# Altium PCB MB V2.PcbDoc (part 1 of 2)
Units mm, origin at the board's own origin, x right, y up, seen from the top; angles counter-clockwise.
Board outline 200.15 x 200.03 mm, 4 copper layers (Top Layer, Mid Top, Mid Bottom, Bottom Layer), stack 0.603 mm thick; 239 components, 224 nets, 929 pads, 0 vias.
Unrouted connection lines stored in the file: 612.
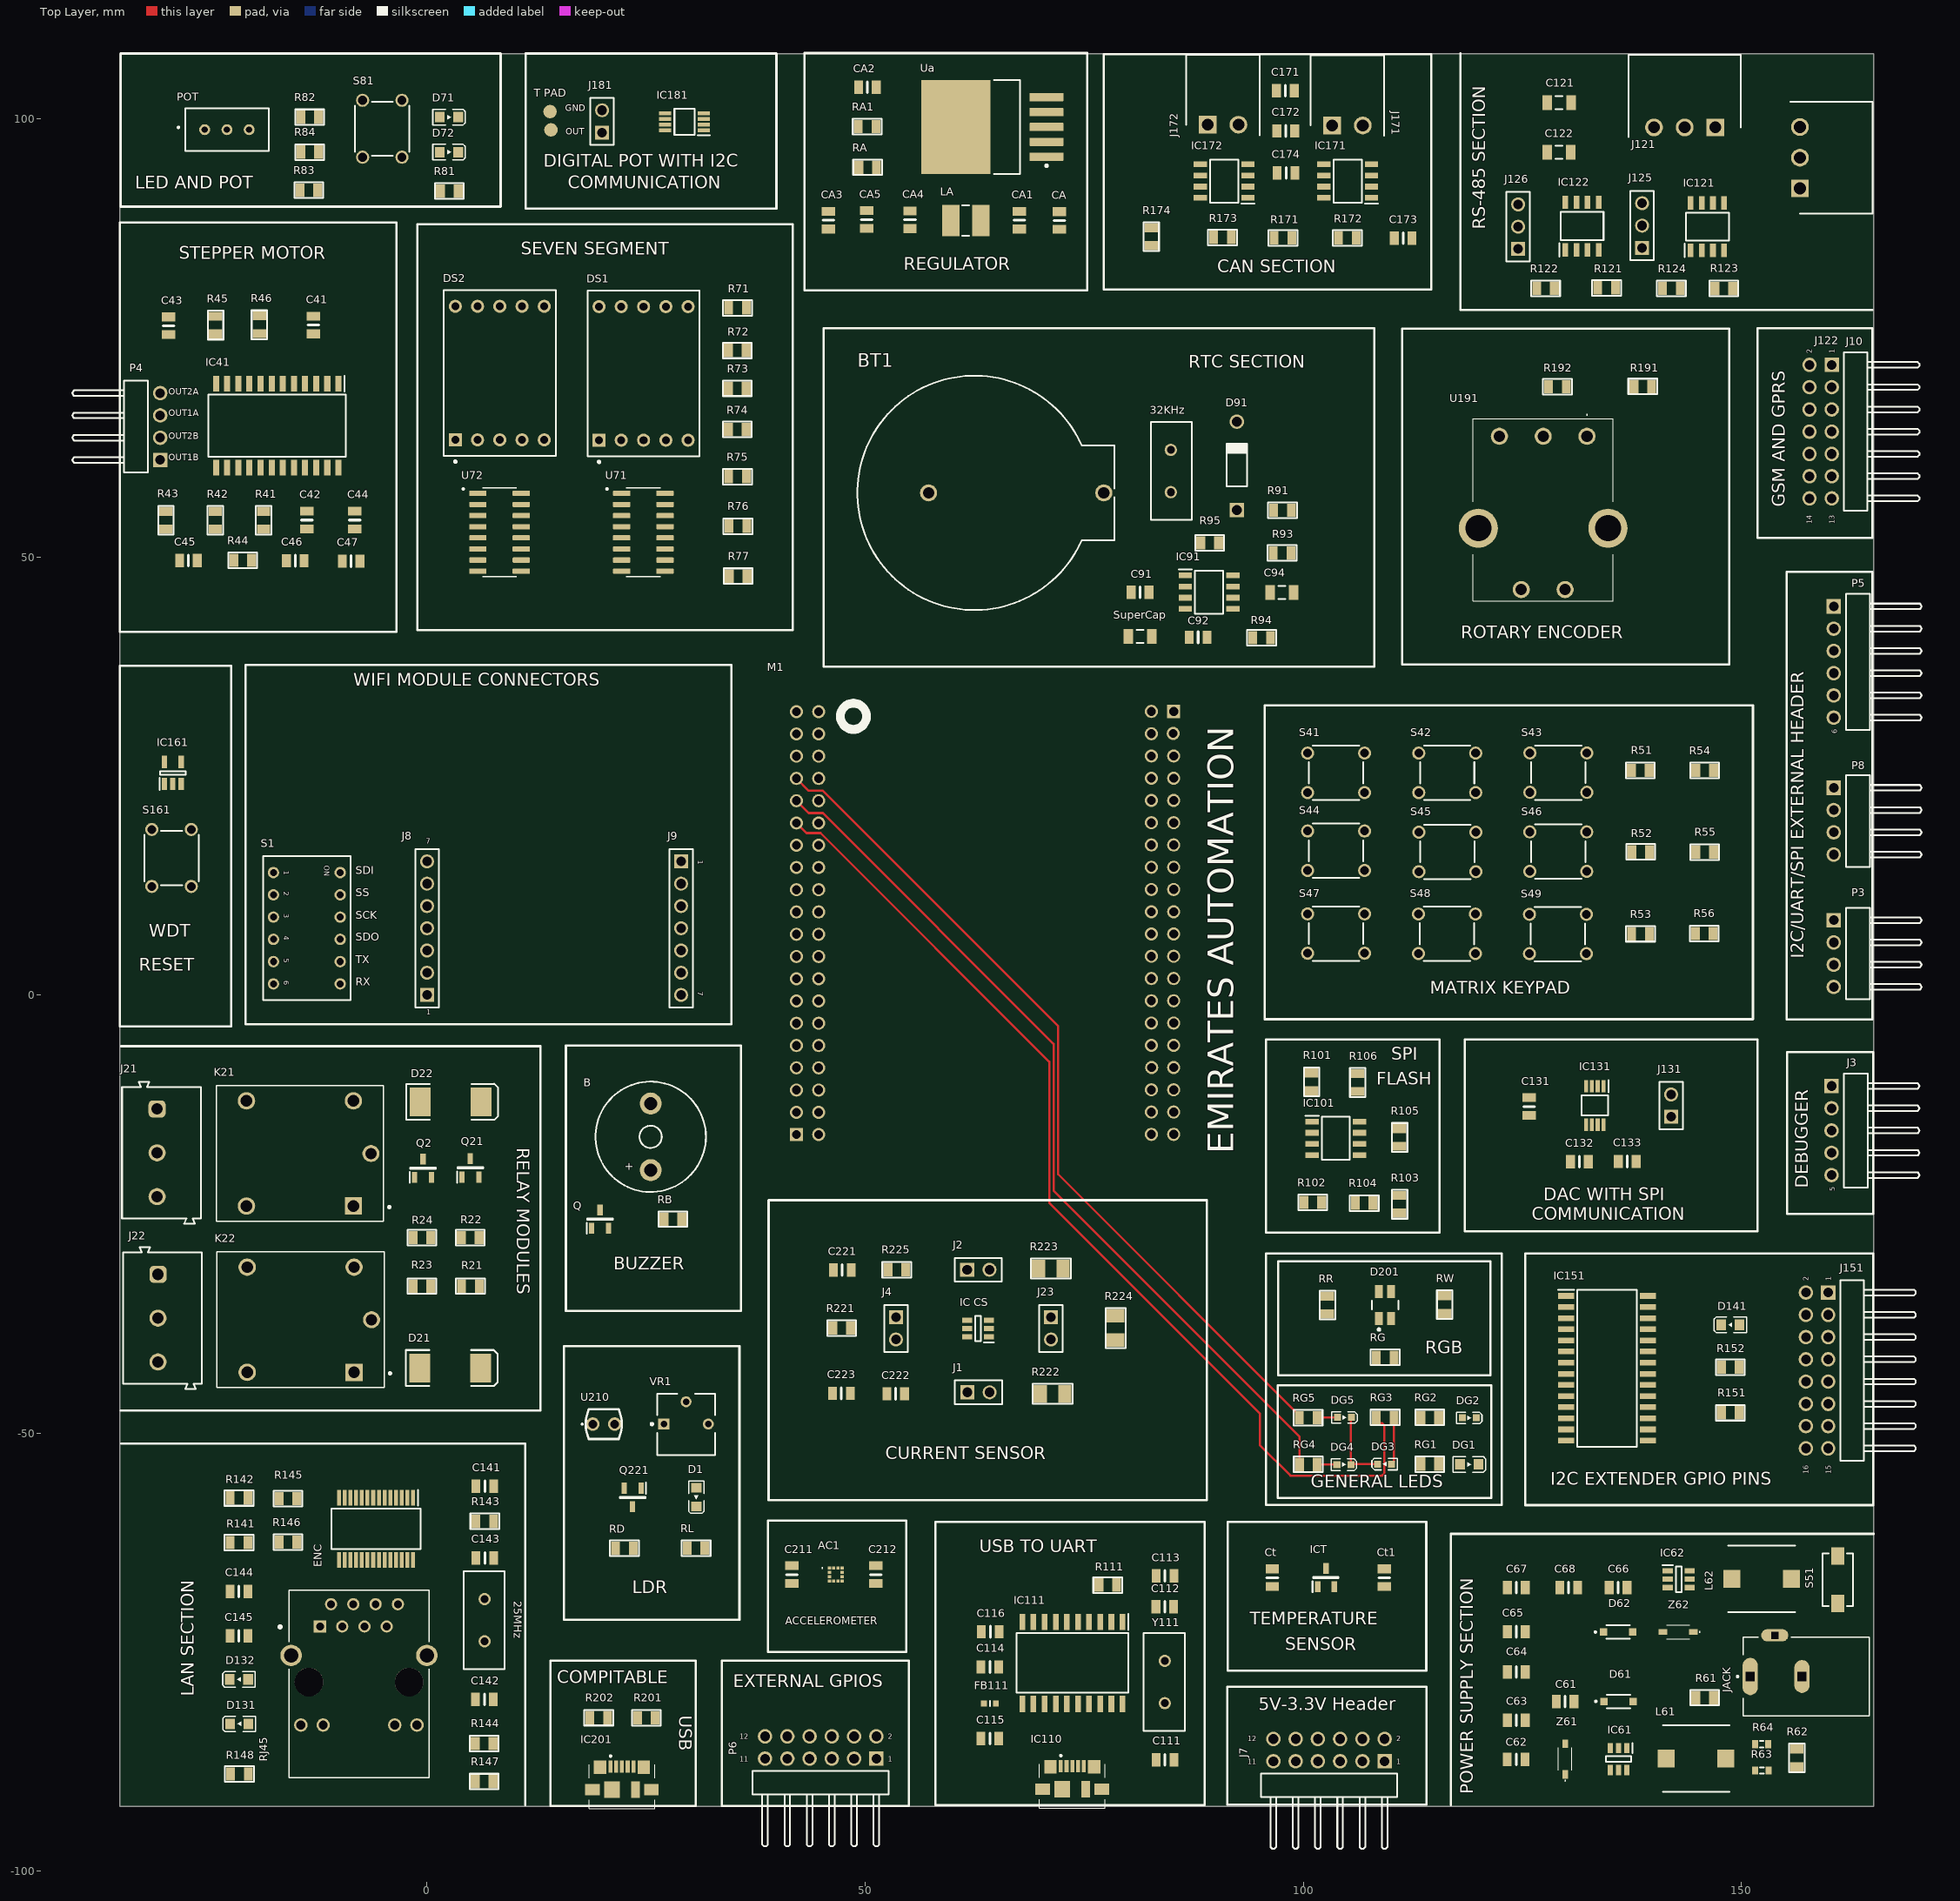
[diagram p0: Top Layer view]
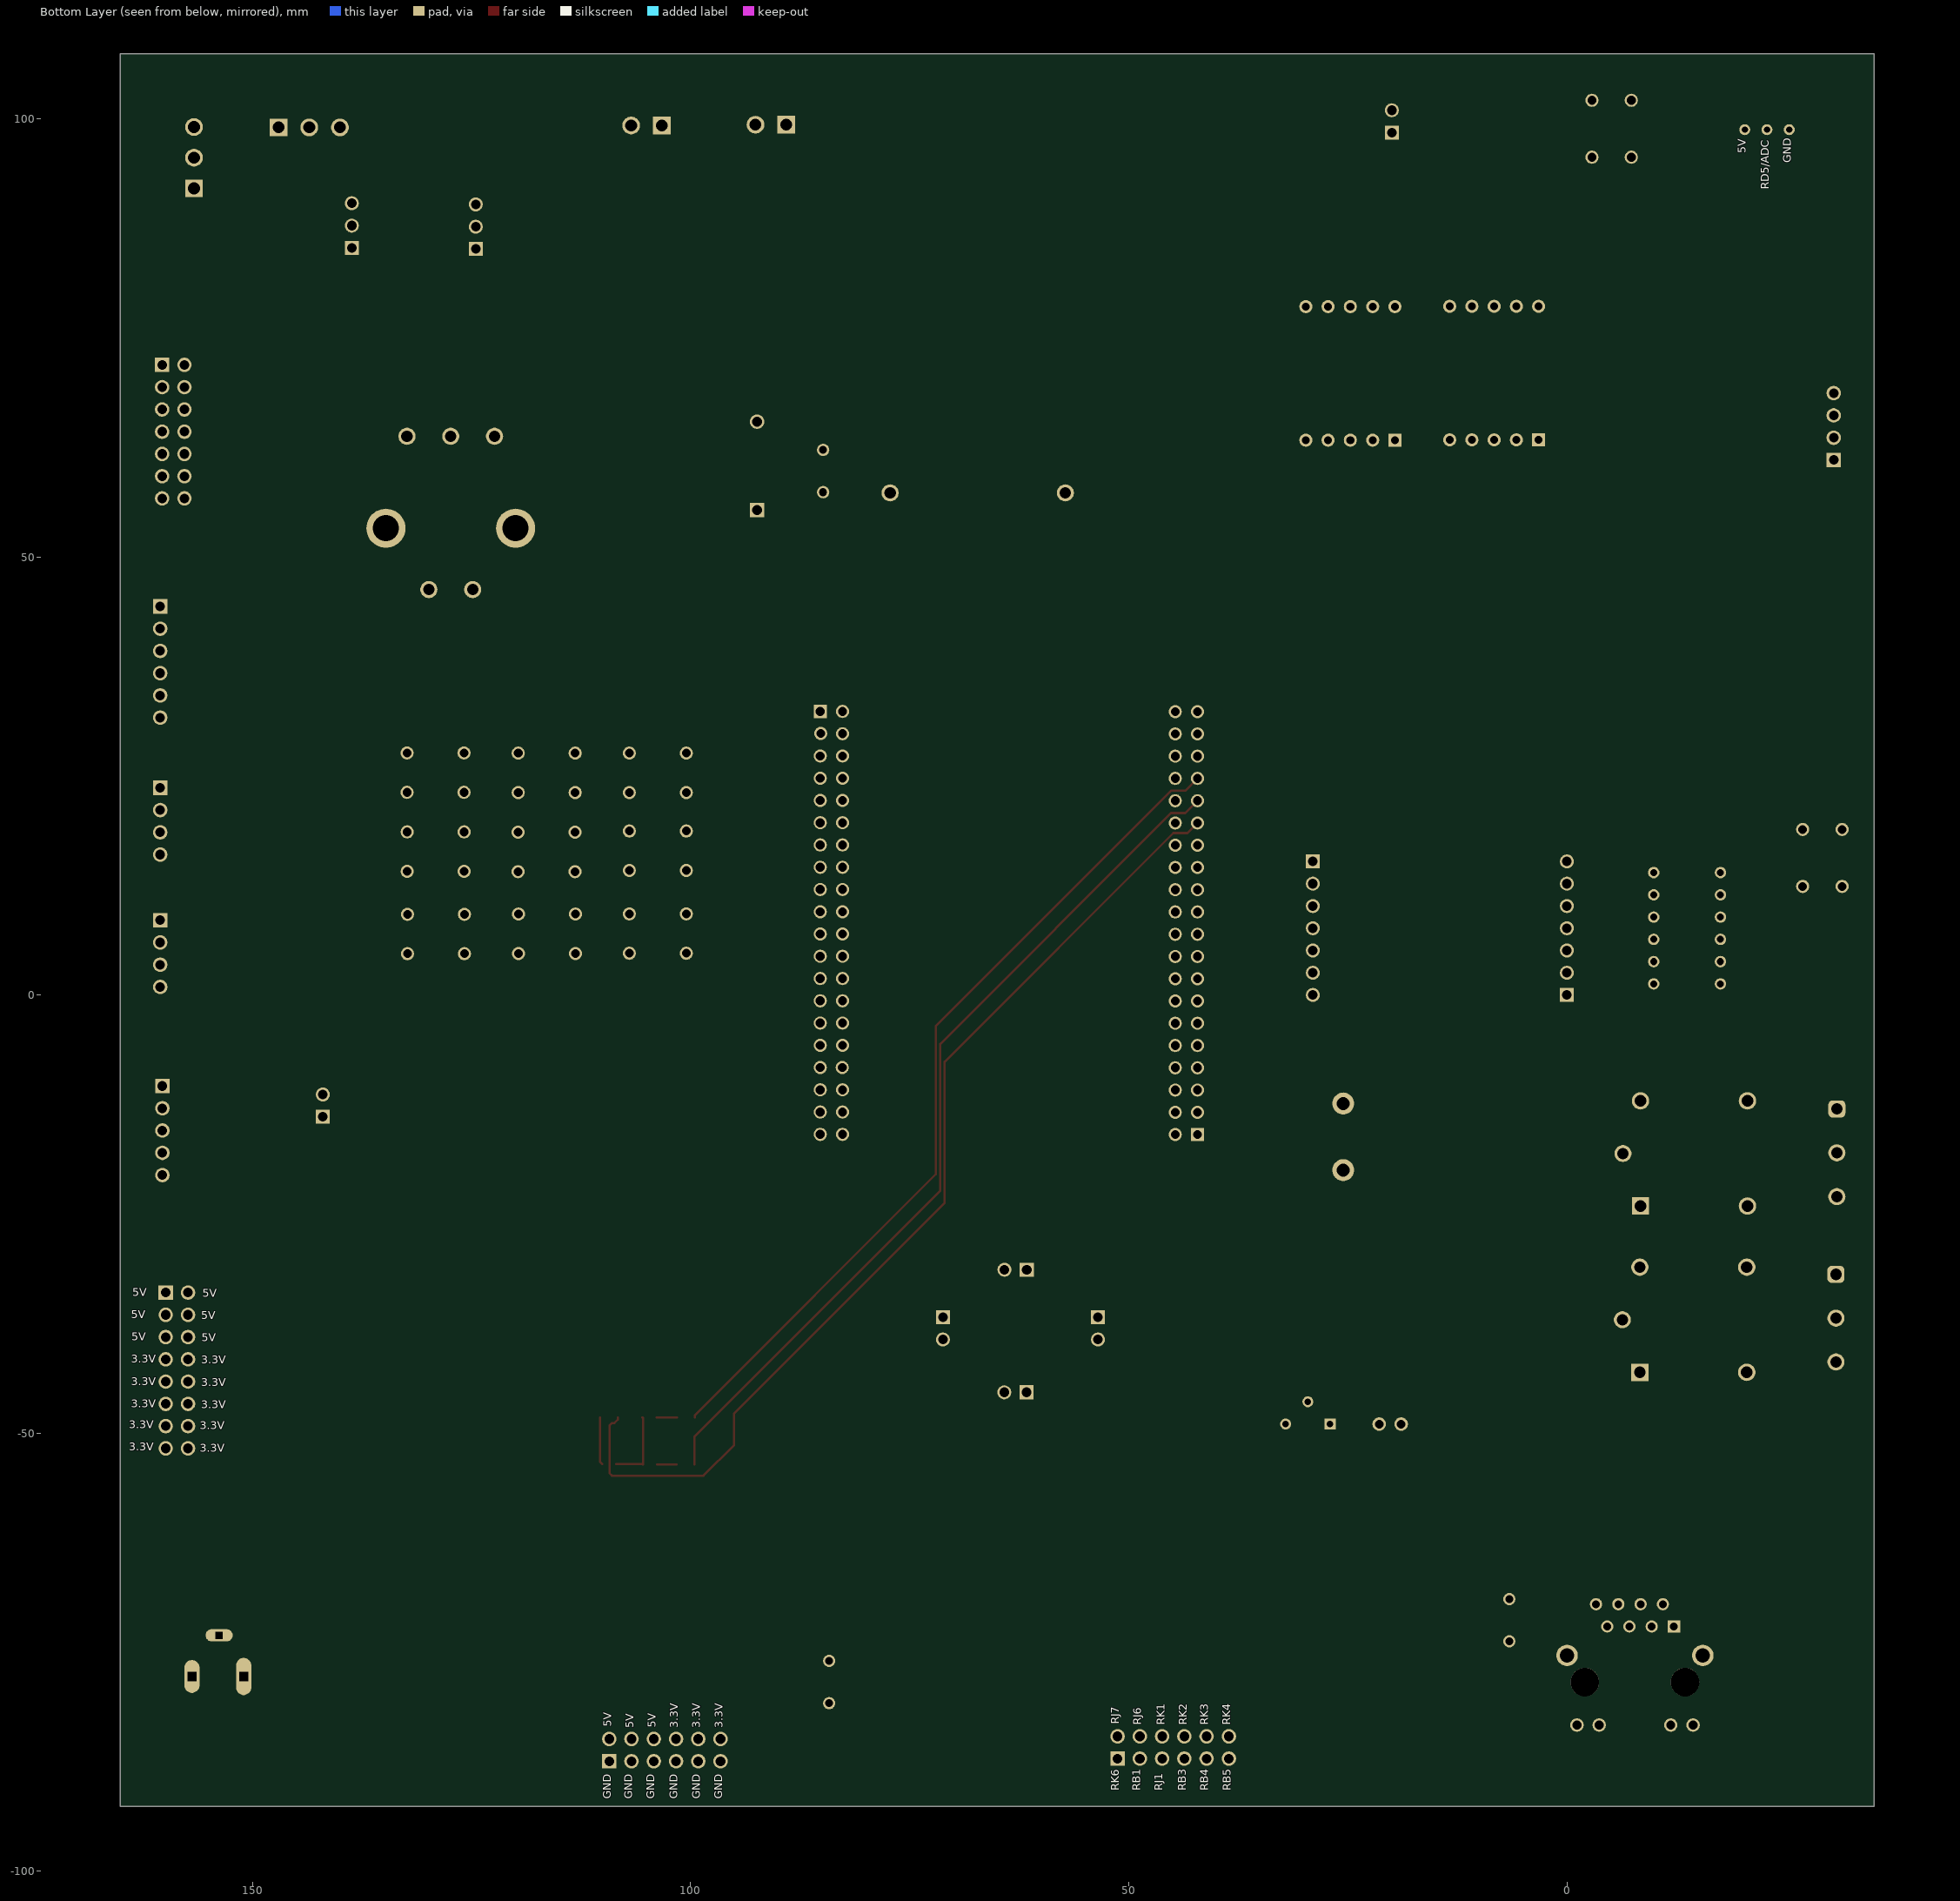
[diagram p1: Bottom Layer view, seen from below]

## Layer stack, top to bottom
Top Solder: solder mask 0.0102, Solder Resist, Dk 3.5
Top Layer: signal copper 0.0356
Dielectric 2: prepreg 0.0711, PP-006, Dk 4.1
Mid Top: signal copper 0.035
Dielectric 1: dielectric 0.32, FR-4, Dk 4.8
Mid Bottom: signal copper 0.035
Dielectric 3: prepreg 0.0711, PP-006, Dk 4.1
Bottom Layer: signal copper 0.0356
Bottom Solder: solder mask 0.0102, Solder Resist, Dk 3.5

## Board outline
-35.052,-92.583 165.1,-92.583 165.1,107.442 -35.052,107.442

## Design rules (kind name [scope] priority, off if disabled: settings)
Clearance [All] p1: gap=0.254 ignorepadtopadclearanceinfootprint=FALSE except(0: Arc-Hole Track-Hole SMDPad-Hole THPad-Hole Via-Hole Fill-Hole Poly-Hole Region-Hole Text-Hole)
PolygonConnect [All] p1: connectstyle=Relief reliefconductorwidth=0.254 reliefentries=4 polygonreliefangle="90 Angle" airgapwidth=0.254
RoutingVias [All] p1: holewidth=0.457 width=0.686 viastyle="Through Hole" minholewidth=0.457 minwidth=0.686 maxholewidth=0.457 maxwidth=0.686
SolderMaskExpansion [All] p1: expansion=0.102 istentingtop=FALSE
Width [All] p1: maxlimit=0.305 minlimit=0.254 preferedwidth=0.279
30 further rules are at their usual default settings.

## Classes and differential pairs
component class wwdt: IC161 S161
component class "Usb to Uart": C111 C112 C113 C114 C115 C116 FB111 IC110 IC111 R111 Y111
component class USB: IC201 R201 R202
component class Stepper_motodriver: C41 C42 C43 C44 C45 C46 C47 IC41 P4 R41 R42 R43 R44 R45 R46
component class "SPI FLASH": IC101 R101 R102 R103 R104 R105 R106
component class Rtc: 32KHz BT1 C91 C92 C94 D91 IC91 R91 R93 R94 R95 SuperCap
component class RS-485: C121 C122 IC121 IC122 J121 J122 J125 J126 R121 R122 R123 R124
component class "Rotary Encoder": R191 R192 U191
component class Relaymodule: D21 D22 J21 J22 K21 K22 Q2 Q21 R21 R22 R23 R24
component class Regulator: CA CA1 CA2 CA3 CA4 CA5 LA RA RA1 Ua
component class Powersupply: C61 C62 C63 C64 C65 C66 C67 C68 D61 D62 IC61 IC62 JACK L61 L62 R61 R62 R63 R64 S51 Z61 Z62
component class Motherboard: J3 J7 J8 J9 J10 M1 P3 P5 P6 P8 S1
component class Matrixkeypad: R51 R52 R53 R54 R55 R56 S41 S42 S43 S44 S45 S46 S47 S48 S49
component class Ledandbuttons: D71 D72 POT R81 R82 R83 R84 S81
component class Lan: 25MHz C141 C142 C143 C144 C145 D131 D132 ENC R141 R142 R143 R144 R145 R146 R147 R148 RJ45
component class "I2C EXTERNAL": D141 IC151 J151 R151 R152
component class "DIGITAL POT": IC181 J181 OUT "T PAD"
component class "DAC SPI": C131 C132 C133 IC131 J131
component class "Current SENSOR": C221 C222 C223 "IC CS" J1 J2 J4 J23 R221 R222 R223 R224 R225
component class CAN: C171 C172 C173 C174 IC171 IC172 J171 J172 R171 R172 R173 R174
component class Buzzer: B Ct Ct1 D1 D201 DG1 DG2 DG3 DG4 DG5 ICT Q Q221 RB RD RG RG1 RG2 RG3 RG4 RG5 RL RR RW U210 VR1
component class ACCELEROMETER: AC1 C211 C212
component class 7Segment: DS1 DS2 R71 R72 R73 R74 R75 R76 R77 U71 U72

## Components (designator, comment, footprint, x,y, rotation, side; value= is the part's Value field where it differs from the comment)
25MHz "" "Mini Crystal" 2.642,-71.349 r90 top
32KHz "" "Mini Crystal" 88.824,59.792 r270 top
AC1 "LIS2DE12TR" LIS2DE12TR 46.66,-66.142 r0 top
B "WST-1205S" "Buzzer 5v" 25.527,-16.18 r90 top
BT1 "79578211" 79578211 62.484,57.302 r180 top
C41 "10pF" SMD-0805C -12.954,76.454 r180 top value=0.10µF
C42 "10pF" SMD-0805C -13.716,54.204 r0 top value=0.10µF
C43 "10pF" SMD-0805C -29.489,76.378 r0 top value=0.10µF
C44 "10pF" SMD-0805C -8.255,54.204 r180 top value=0.10µF
C45 "10pF" SMD-0805C -27.229,49.581 r270 top value=0.10µF
C46 "100pF" SMD-0805C -15.037,49.555 r270 top value=0.10µF
C47 "100pF" SMD-0805C -8.661,49.505 r270 top value=0.10µF
C61 "100nF" SMD-0805C 129.896,-80.62 r270 top value=0.10µF
C62 "10pF" SMD-0805C 124.308,-87.224 r270 top value=0.10µF
C63 "10pF" SMD-0805C 124.333,-82.753 r90 top value=0.10µF
C64 "10pF" SMD-0805C 124.333,-77.267 r90 top value=0.10µF
C65 "10pF" SMD-0805C 124.333,-72.669 r270 top value=0.10µF
C66 "100nF" SMD-0805C 135.941,-67.64 r90 top value=0.10µF
C67 "10pF" SMD-0805C 124.333,-67.64 r90 top value=0.10µF
C68 "10pF" SMD-0805C 130.302,-67.615 r90 top value=0.10µF
C91 "10pF" SMD-0805C 81.382,45.949 r270 top value=0.10µF
C92 "10pF" SMD-0805C 88.011,40.818 r90 top value=0.10µF
C94 "Cap Semi" C1206 97.561,45.949 r180 top value=0.1uF
C111 "10pF" SMD-0805C 84.226,-87.274 r270 top value=0.10µF
C112 "10pF" SMD-0805C 84.201,-69.825 r270 top value=0.10µF
C113 "10uF" SMD-0805C 84.226,-66.269 r90 top value=0.10µF
C114 "10uF" SMD-0805C 64.237,-76.683 r90 top value=0.10µF
C115 "10uF" SMD-0805C 64.237,-84.836 r90 top value=0.10µF
C116 "10uF" SMD-0805C 64.287,-72.669 r90 top value=0.10µF
C121 "10pF" C1206 129.21,101.829 r180 top value=0.1uF
C122 "10pF" C1206 129.184,96.164 r180 top value=0.1uF
C131 "10uF" SMD-0805C 125.781,-12.725 r180 top value=0.10µF
C132 "10uF" SMD-0805C 131.521,-19.025 r270 top value=0.10µF
C133 "1uF" SMD-0805C 136.982,-18.999 r270 top value=0.10µF
C141 "10uF" SMD-0805C 6.604,-56.058 r90 top value=0.10µF
C142 "10pF" SMD-0805C 6.553,-80.391 r270 top value=0.10µF
C143 "10pF" SMD-0805C 6.604,-64.237 r270 top value=0.10µF
C144 "10nF" SMD-0805C -21.463,-68.072 r270 top value=0.10µF
C145 "10nF" SMD-0805C -21.463,-73.152 r270 top value=0.10µF
C171 "0.22uF" SMD-0805C 97.968,103.2 r90 top value=0.10µF
C172 "0.22uF" SMD-0805C 98.019,98.603 r90 top value=0.10µF
C173 "0.22uF" SMD-0805C 111.404,86.36 r270 top value=0.10µF
C174 "0.22uF" SMD-0805C 98.044,93.802 r90 top value=0.10µF
C211 "10uF" SMD-0805C 41.656,-66.142 r0 top value=0.10µF
C212 "100nF" SMD-0805C 51.232,-66.142 r0 top value=0.10µF
C221 "2.2uF" SMD-0805C 47.396,-31.369 r90 top value=0.10µF
C222 "0.1uF" SMD-0805C 53.492,-45.517 r270 top value=0.10µF
C223 "0.1uF" SMD-0805C 47.295,-45.466 r270 top value=0.10µF
CA "220uF" SMD-0805C 72.161,88.392 r180 top value=0.10µF
CA1 "0.1uF" SMD-0805C 67.589,88.417 r180 top value=0.10µF
CA2 "0.1uF" SMD-0805C 50.267,103.581 r270 top value=0.10µF
CA3 "0.1uF" SMD-0805C 45.822,88.417 r180 top value=0.10µF
CA4 "15pF" SMD-0805C 55.118,88.468 r180 top value=0.10µF
CA5 "220uF" SMD-0805C 50.19,88.494 r180 top value=0.10µF
Ct "0.10µF" SMD-0805C 96.469,-66.497 r180 top
Ct1 "0.10µF" SMD-0805C 109.271,-66.497 r180 top
D1 "150080BS75000" WL-SMCW_0805 30.734,-57.302 r90 top
D21 "Diode" SMC 2.637,-42.57 r0 top
D22 "Diode" SMC 2.697,-12.192 r0 top
D61 "1N4148W-V-GS08" 1N4148WVGS08 135.992,-80.62 r0 top
D62 "1N4148W-V-GS08" 1N4148WVGS08 135.941,-72.695 r0 top
D71 "150080BS75000" WL-SMCW_0805 2.515,100.178 r180 top
D72 "150080BS75000" WL-SMCW_0805 2.515,96.19 r180 top
D91 "1N4007/M7" "Diode DO 35" 92.431,59.842 r90 top
D131 "150080BS75000" WL-SMCW_0805 -21.429,-83.185 r0 top
D132 "150080BS75000" WL-SMCW_0805 -21.463,-78.105 r0 top
D141 "150080BS75000" WL-SMCW_0805 148.742,-37.643 r0 top
D201 "Red & Green & Blue, 120°" WL-SFTW_3528_150141M173100 109.347,-35.382 r90 top
DG1 "150080VS75000" WL-SMCW_0805 118.948,-53.569 r180 top
DG2 "150060GS75000" WL-SMCW_0603 118.948,-48.26 r180 top
DG3 "150060YS75000" WL-SMCW_0603 109.296,-53.543 r0 top
DG4 "150060BS75000" WL-SMCW_0603 104.648,-53.594 r180 top
DG5 "150060RS75000" WL-SMCW_0603 104.711,-48.209 r180 top
DS1 "Dpy Blue-CC" H 24.714,70.942 r0 top
DS2 "Dpy Blue-CC" H 8.306,70.968 r0 top
ENC "ENC28J60T-I_SS" SOP65P780X200-28N -5.817,-60.909 r270 top
FB111 "BLM18SG121TN1D" BLM18EG101TH1D 64.237,-80.874 r180 top
IC41 "MTS2916A" SOIC127P1046X264-24N -17.094,64.973 r270 top
IC61 "MCP16331T-E_CH" SOT95P280X145-6N 135.992,-87.198 r270 top
IC62 "MCP16331T-E_CH" SOT95P280X145-6N 142.85,-66.675 r0 top
IC91 "MCP79402-I_SN" SOIC127P600X175-8N 89.256,45.974 r0 top
IC101 "SST25VF512A-33-4C-SAE" SOIC127P600X175-8N 103.734,-16.358 r0 top
IC110 "" 0473461001 73.642,-89.968 r0 top
IC111 "MCP2200-I_SO" SOIC127P1030X265-20N 73.66,-76.225 r270 top
IC121 "THVD1450D" SOIC127P600X175-8N 146.126,87.681 r90 top
IC122 "THVD1450D" SOIC127P600X175-8N 131.826,87.757 r90 top
IC131 "MCP4822-E_MS" SOP65P490X110-8N 133.284,-12.608 r270 top
IC151 "MCP23017T-E_SO" SOIC127P1030X265-28N 134.669,-42.596 r0 top
IC161 "MCP1320T-25LE_OT" SOT95P270X145-5N -29.007,25.349 r90 top
IC171 "MCP2551-E_SN" SOIC127P600X175-8N 105.08,92.888 r180 top
IC172 "MCP2551-E_SN" SOIC127P600X175-8N 90.983,92.888 r180 top
IC181 "MCP4531-103E_MS" SOP65P490X110-8N 29.388,99.644 r180 top
IC201 "" 0473461001 22.25,-90.018 r0 top
"IC CS" "MCP6C02T-020E_CHY" SOT95P280X145-6N 62.89,-38.049 r180 top
ICT "MCP9700T-E_TT" SOT95P237X112-3N 102.591,-66.472 r90 top
J1 "61300211121" 61300211121 62.941,-45.339 r0 top
J2 "61300211121" 61300211121 62.916,-31.344 r0 top
J3 "61300511021" 61300511021 163.069,-15.469 r90 top
J4 "61300211121" 61300211121 53.518,-38.049 r270 top
J7 "61301221021" 61301221021 102.946,-90.17 r0 top
J8 "61300711121" 61300711121 0,7.62 r90 top
J9 "61300711121" 61300711121 29,7.62 r270 top
J10 "61301421021" 61301421021 163.055,64.287 r90 top
J21 "691101710003" 691101710003 -30.31,-18.009 r270 top
J22 "691101710003" 691101710003 -30.201,-36.881 r270 top
J23 "61300211121" 61300211121 71.222,-38.049 r270 top
J121 "284512-3" SHDRRA3W80P0X350_1X3_1250X920X745P 147.041,99.009 r0 top
J122 "284512-3" SHDRRA3W80P0X350_1X3_1250X920X745P 156.693,92.055 r270 top
J125 "61300311121" 61300311121 138.684,87.808 r90 top
J126 "61300311121" 61300311121 124.536,87.681 r90 top
J131 "61300211121" 61300211121 141.986,-12.624 r90 top
J151 "61301621021" 61301621021 162.648,-42.85 r90 top
J171 "1844210" SHDRRA2W80P0X350_1X2_840X920X825P 103.302,99.238 r0 top
J172 "1844210" SHDRRA2W80P0X350_1X2_840X920X825P 89.108,99.314 r0 top
J181 "61300211121" 61300211121 19.99,99.695 r90 top
JACK "JACK" JACK 159.715,-258.877 r90 top
K21 "RELAY" RELAY 36.566,-9.817 r180 top
K22 "RELAY" RELAY 36.642,-28.791 r180 top
L61 "DR73-150-R" INDPM7676X355N 144.831,-87.122 r180 top
L62 "DR73-150-R" INDPM7676X355N 152.324,-66.65 r0 top
LA "330uH" WE-LQ_1812 61.495,88.392 r180 top
M1 "MCU CARD -PIC18F97J94" MCU-Card-PIC18f97j94 64.008,8.128 r0 top
P3 "61300411021" 61300411021 163.322,4.724 r90 top
P4 "61300411021" 61300411021 -33.223,64.872 r270 top
P5 "61300611021" 61300611021 163.322,37.998 r90 top
P6 "61301221021" 61301221021 44.933,-89.877 r0 top
P8 "61300411021" 61300411021 163.322,19.837 r90 top
POT "3296W-1-101LF" 3296W-1 -22.835,98.755 r0 top
Q "S12302DS Nchanel SMD SOT-23" SOT-23-3N 19.751,-25.569 r90 top
Q2 "S12302DS Nchanel SMD SOT-23" SOT-23-3N -0.457,-19.76 r90 top
Q21 "S12302DS Nchanel SMD SOT-23" SOT-23-3N 4.953,-19.735 r90 top
Q221 "S12302DS Nchanel SMD SOT-23" SOT-23-3N 23.47,-57.328 r270 top
R21 "0" SMD-0805-RES 4.953,-33.223 r270 top value=1k
R22 "1k" SMD-0805-RES 4.928,-27.686 r270 top
R23 "0" SMD-0805-RES -0.584,-33.223 r90 top value=1k
R24 "1k" SMD-0805-RES -0.584,-27.686 r270 top
R41 "1k" SMD-0805-RES -18.644,54.178 r0 top
R42 "1k" SMD-0805-RES -24.155,54.178 r0 top
R43 "1k" SMD-0805-RES -29.794,54.178 r180 top
R44 "1k" SMD-0805-RES -21.031,49.606 r270 top
R45 "1k" SMD-0805-RES -24.13,76.454 r180 top
R46 "1k" SMD-0805-RES -19.126,76.479 r180 top
R51 "4.7K" SMD-0805-RES 138.481,25.629 r90 top value=1k
R52 "4.7K" SMD-0805-RES 138.532,16.332 r90 top value=1k
R53 "4.7K" SMD-0805-RES 138.506,6.985 r90 top value=1k
R54 "4.7K" SMD-0805-RES 145.821,25.629 r90 top value=1k
R55 "4.7K" SMD-0805-RES 145.821,16.307 r90 top value=1k
R56 "4.7K" SMD-0805-RES 145.771,7.01 r90 top value=1k
R61 "52.3K" SMD-0805-RES 145.821,-80.188 r270 top value=1k
R62 "10K" SMD-0805-RES 156.337,-87.071 r0 top value=1k
R63 "Res3" J1-0603 152.349,-88.519 r0 top value=31.6K
R64 "Res3" J1-0603 152.337,-85.496 r180 top value=10K
R71 "1K" SMD-0805-RES 35.433,78.41 r90 top value=1k
R72 "1K" SMD-0805-RES 35.408,73.558 r90 top value=1k
R73 "1K" SMD-0805-RES 35.408,69.24 r90 top value=1k
R74 "1K" SMD-0805-RES 35.408,64.541 r90 top value=1k
R75 "1K" SMD-0805-RES 35.433,59.157 r90 top value=1k
R76 "1K" SMD-0805-RES 35.484,53.492 r270 top value=1k
R77 "1K" SMD-0805-RES 35.509,47.803 r270 top value=1k
R81 "1K" SMD-0805-RES 2.54,91.745 r90 top value=1k
R82 "1K" SMD-0805-RES -13.386,100.178 r90 top value=1k
R83 "1K" SMD-0805-RES -13.487,91.846 r270 top value=1k
R84 "1K" SMD-0805-RES -13.386,96.19 r270 top value=1k
R91 "100E-TH" SMD-0805-RES 97.638,55.321 r90 top value=1k
R93 "4.7K" SMD-0805-RES 97.587,50.444 r270 top value=1k
R94 "4.7K" SMD-0805-RES 95.25,40.767 r270 top value=1k
R95 "10K" SMD-0805-RES 89.332,51.587 r270 top value=1k
R101 "2.2K" SMD-0805-RES 100.965,-9.906 r0 top value=1k
R102 "3.3K" SMD-0805-RES 101.092,-23.673 r90 top value=1k
R103 "3.3K" SMD-0805-RES 110.998,-23.876 r0 top value=1k
R104 "3.3K" SMD-0805-RES 106.959,-23.749 r270 top value=1k
R105 "2.2K" SMD-0805-RES 110.998,-16.256 r180 top value=1k
R106 "2.2K" SMD-0805-RES 106.223,-9.982 r180 top value=1k
R111 "10K" SMD-0805-RES 77.699,-67.335 r270 top value=1k
R121 "10K" SMD-0805-RES 134.62,80.696 r90 top value=1k
R122 "10K" SMD-0805-RES 127.66,80.645 r90 top value=1k
R123 "10K" SMD-0805-RES 148.006,80.62 r90 top value=1k
R124 "10K" SMD-0805-RES 142.011,80.645 r90 top value=1k
R141 "1K" SMD-0805-RES -21.463,-62.484 r90 top value=1k
R142 "1K" SMD-0805-RES -21.463,-57.404 r270 top value=1k
R143 "1K" SMD-0805-RES 6.604,-60.071 r270 top value=1k
R144 "1K" SMD-0805-RES 6.528,-85.42 r90 top value=1k
R145 "51" SMD-0805-RES -15.875,-57.48 r90 top value=1k
R146 "51" SMD-0805-RES -15.875,-62.433 r270 top value=1k
R147 "51" SMD-0805-RES 6.528,-89.764 r90 top value=1k
R148 "51" SMD-0805-RES -21.412,-88.9 r270 top value=1k
R151 "10K" SMD-0805-RES 148.742,-47.676 r90 top value=1k
R152 "1K" SMD-0805-RES 148.742,-42.469 r90 top value=1k
R171 "120r" SMD-0805-RES 97.688,86.411 r90 top value=1k
R172 "10K" SMD-0805-RES 105.029,86.411 r270 top value=1k
R173 "10K" SMD-0805-RES 90.78,86.462 r270 top value=1k
R174 "120r" SMD-0805-RES 82.652,86.538 r0 top value=1k
R191 "10K" SMD-0805-RES 138.76,69.444 r90 top value=1k
R192 "10K" SMD-0805-RES 129.007,69.418 r90 top value=1k
R201 "10K" SMD-0805-RES 25.044,-82.499 r90 top value=1k
R202 "10K" SMD-0805-RES 19.609,-82.474 r270 top value=1k
R221 "10K" SMD-0805-RES 47.32,-37.998 r270 top value=1M
R222 "10 ohm" SMD-1206-RES 71.399,-45.517 r90 top value=0.22
R223 "1K" SMD-1206-RES 71.196,-31.217 r90 top value=0.22
R224 "0 ohm" SMD-1206-RES 78.588,-37.998 r180 top value=0.22
R225 "20K" SMD-0805-RES 53.619,-31.344 r90 top value=1M
RA "10K" SMD-0805-RES 50.292,94.463 r270 top value=1k
RA1 "3.3K" SMD-0805-RES 50.241,99.111 r270 top value=1k
RB "1k" SMD-0805-RES 28.067,-25.578 r270 top
RD "1k" SMD-0805-RES 22.53,-63.144 r90 top
RG "1k" SMD-0805-RES 109.347,-41.351 r90 top
RG1 "1K" SMD-0805-RES 114.452,-53.543 r270 top value=1k
RG2 "1K" SMD-0805-RES 114.452,-48.209 r270 top value=1k
RG3 "1K" SMD-0805-RES 109.347,-48.209 r270 top value=1k
RG4 "1K" SMD-0805-RES 100.584,-53.569 r270 top value=1k
RG5 "1K" SMD-0805-RES 100.559,-48.235 r270 top value=1k
RJ45 "RJ45" RJ45 708.54,-185.028 r180 top
RL "1k" SMD-0805-RES 30.709,-63.119 r90 top
RR "1k" SMD-0805-RES 102.768,-35.382 r0 top
RW "1k" SMD-0805-RES 116.154,-35.331 r0 top
S1 "418117170906" 418117170906 -13.716,7.62 r270 top
S41 "430156043726" 4301x60437x6 103.759,25.349 r0 top
S42 "430156043726" 4301x60437x6 116.434,25.349 r0 top
S43 "430156043726" 4301x60437x6 129.134,25.375 r0 top
S44 "430156043726" 4301x60437x6 103.759,16.459 r0 top
S45 "430156043726" 4301x60437x6 116.459,16.332 r0 top
S46 "430156043726" 4301x60437x6 129.108,16.358 r0 top
S47 "430156043726" 4301x60437x6 103.759,7.01 r0 top
S48 "430156043726" 4301x60437x6 116.408,6.985 r0 top
S49 "430156043726" 4301x60437x6 129.083,6.96 r0 top
S51 "434113043826" 434113043826 161.011,-66.726 r270 top
S81 "430156043726" 4301x60437x6 -5.105,98.857 r270 top
S161 "430156043726" 4301x60437x6 -29.159,15.646 r90 top
SuperCap "Cap Semi" C1206 81.382,40.919 r0 top
"T PAD" "pad" pad 14.046,100.813 r270 top
U71 "ULN2003ADR" SOIC127P600X175-16N 24.689,52.807 r0 top
U72 "ULN2003ADR" SOIC127P600X175-16N 8.28,52.807 r0 top
U191 "PEC16-4220F-S0024" PEC164120FS0012 132.39,63.764 r180 top
U210 "S" NSL-19M51 20.173,-48.971 r0 top
Ua "LM39302" DDPACK-5 60.563,99.441 r90 top
VR1 "50k" "Trim pot square Horizontal" 29.566,-48.997 r0 top
Y111 "25MHz" "Mini Crystal" 80.264,-78.41 r90 top
Z61 "BAT46ZFILM" STPS0560Z 129.896,-87.198 r90 top
Z62 "BAT46ZFILM" STPS0560Z 142.799,-72.695 r180 top

## Footprints (in the part's own frame and the unit in brackets; to place one, negate y for a bottom-side part, rotate by r counter-clockwise, add the part's x,y. Pads: shape width x height; smd on the part's side, far side on the other; paste and mask are expansions set on the pad)
1N4148WVGS08 [mm]
  rect 0.85x0.85 smd: 1(-1.675,0) 2(1.675,0)
  silkscreen extent -2.7,-0.78 1.35,0.78, body extent -1.85,-0.77 1.85,0.77, height 1.26
3296W-1 [mm]
  round 1.24 hole 0.74: 1(-2.54,0) 2(0,0) 3(2.54,0)
  silkscreen extent -5.64,-2.41 4.76,2.41, body extent -4.78,-2.48 4.78,2.35, height 11.55
4301x60437x6 [mm] "6x6mm Tact Switch, THT version"
  round 1.5 hole 1: 1(-3.25,2.25) 2(-3.25,-2.25) 3(3.25,2.25) 4(3.25,-2.25)
  silkscreen extent -3.1,-3.1 3.1,3.1, body extent -3.95,-3.1 3.95,3.1, height 4.35
79578211 [mm] "Battery Holder"
  round 1.95 hole 1.3: 1(-14.755,0) 2(5.245,0)
  silkscreen extent -15.98,-13.37 13.37,13.37, body extent -15.97,-13.38 13.38,13.37, height 9.6
0473461001 [mm]
  rect 0.45x1.38 smd: 1(-1.3,1.975) 2(-0.65,1.975) 3(0,1.975) 4(0.65,1.975) 5(1.3,1.975)
  rect 1.425x1.55 smd: MP1(-2.487,1.89) MP2(2.487,1.89)
  rect 1.65x1.3 smd: MP3(-3.375,-0.685) MP6(3.375,-0.685)
  rect 1.8x1.9 smd: MP4(-1.15,-0.685)
  rect 1x1.9 smd: MP5(1.55,-0.685)
  silkscreen extent -3.75,-2.84 3.75,3.26, body extent -3.9,-2.5 3.9,2.5, height 2.72
61300211121 [mm] "Pin Header, pitch 2.54 mm, THT, Vertical, single row, 2p"
  rect 1.6x1.6 hole 1.1: 1(-1.27,0)
  round 1.6 hole 1.1: 2(1.27,0)
  silkscreen extent -2.69,-1.34 2.69,1.34, body extent -2.54,-1.27 2.54,1.27, height 8.57
61300311121 [mm] "Pin Header, pitch 2.54 mm, THT, Vertical, single row, 3p"
  rect 1.6x1.6 hole 1.1: 1(-2.54,0)
  round 1.6 hole 1.1: 2(0,0) 3(2.54,0)
  silkscreen extent -3.96,-1.34 3.96,1.34, body extent -3.81,-1.27 3.81,1.27, height 8.57
61300411021 [mm] "Pin Header, pitch 2.54 mm, THT, Angled, single row, 4p"
  rect 1.65x1.65 hole 1.1: 1(3.81,2.77)
  round 1.65 hole 1.1: 2(1.27,2.77) 3(-1.27,2.77) 4(-3.81,2.77)
  silkscreen extent -5.23,-7.27 5.23,1.34, body extent -5.08,-7.27 5.08,3.09, height 2.58
61300511021 [mm] "Pin Header, pitch 2.54 mm, THT, Angled, single row, 5p"
  rect 1.65x1.65 hole 1.1: 1(5.08,2.77)
  round 1.65 hole 1.1: 2(2.54,2.77) 3(0,2.77) 4(-2.54,2.77) 5(-5.08,2.77)
  silkscreen extent -6.5,-7.27 6.5,1.35, body extent -6.35,-7.27 6.35,3.09, height 2.58
61300611021 [mm] "Pin Header, pitch 2.54 mm, THT, Angled, single row, 6p"
  rect 1.65x1.65 hole 1.1: 1(6.35,2.77)
  round 1.65 hole 1.1: 2(3.81,2.77) 3(1.27,2.77) 4(-1.27,2.77) 5(-3.81,2.77) 6(-6.35,2.77)
  silkscreen extent -7.77,-7.27 7.77,1.34, body extent -7.62,-7.27 7.62,3.09, height 2.58
61300711121 [mm] "Pin Header, pitch 2.54 mm, THT, Vertical, single row, 7p"
  rect 1.6x1.6 hole 1.1: 1(-7.62,0)
  round 1.6 hole 1.1: 2(-5.08,0) 3(-2.54,0) 4(0,0) 5(2.54,0) 6(5.08,0) 7(7.62,0)
  silkscreen extent -9.04,-1.34 9.04,1.34, body extent -8.89,-1.27 8.89,1.27, height 8.57
61301221021 [mm] "Pin Header, pitch 2.54 mm, THT, Angled, dual row, 12p"
  rect 1.65x1.65 hole 1.1: 1(6.35,2.73)
  round 1.65 hole 1.1: 2(6.35,5.27) 3(3.81,2.73) 4(3.81,5.27) 5(1.27,2.73) 6(1.27,5.27) 7(-1.27,2.73) 8(-1.27,5.27) 9(-3.81,2.73) 10(-3.81,5.27) 11(-6.35,2.73) 12(-6.35,5.27)
  silkscreen extent -7.77,-7.27 7.77,1.34, body extent -7.62,-7.27 7.62,5.63, height 5.12
61301421021 [mm] "Pin Header, pitch 2.54 mm, THT, Angled, dual row, 14p"
  rect 1.65x1.65 hole 1.1: 1(7.62,2.73)
  round 1.65 hole 1.1: 2(7.62,5.27) 3(5.08,2.73) 4(5.08,5.27) 5(2.54,2.73) 6(2.54,5.27) 7(0,2.73) 8(0,5.27) 9(-2.54,2.73) 10(-2.54,5.27) 11(-5.08,2.73) 12(-5.08,5.27) 13(-7.62,2.73) 14(-7.62,5.27)
  silkscreen extent -9.04,-7.27 9.04,1.34, body extent -8.89,-7.27 8.89,5.63, height 5.12
61301621021 [mm] "Pin Header, pitch 2.54 mm, THT, Angled, dual row, 16p"
  rect 1.65x1.65 hole 1.1: 1(8.89,2.73)
  round 1.65 hole 1.1: 2(8.89,5.27) 3(6.35,2.73) 4(6.35,5.27) 5(3.81,2.73) 6(3.81,5.27) 7(1.27,2.73) 8(1.27,5.27) 9(-1.27,2.73) 10(-1.27,5.27) 11(-3.81,2.73) 12(-3.81,5.27) 13(-6.35,2.73) 14(-6.35,5.27) 15(-8.89,2.73) 16(-8.89,5.27)
  silkscreen extent -10.31,-7.27 10.31,1.34, body extent -10.16,-7.27 10.16,5.63, height 5.12
418117170906 [mm] "2.54 mm compact THT with flat actuator, 6p"
  round 1.3 hole 0.8: 1(-6.35,-3.81) 2(-3.81,-3.81) 3(-1.27,-3.81) 4(1.27,-3.81) 5(3.81,-3.81) 6(6.35,-3.81) 7(6.35,3.81) 8(3.81,3.81) 9(1.27,3.81) 10(-1.27,3.81) 11(-3.81,3.81) 12(-6.35,3.81)
  silkscreen extent -8.22,-5 8.22,5, body extent -8.12,-4.95 8.12,4.95, height 5.75
434113043826 [mm] "SMD Tact Switch, body 6x3.5mm"
  rect 2x1.5 smd: 1(-2.7,0) 2(2.7,0)
  silkscreen extent -3,-1.75 3,1.75, body extent -3.65,-1.75 3.65,1.75, height 4.3
691101710003 [mm] "5,00mm - modular - blue - Horizontal entry with pressure clamp - 12,6mm height - 03p"
  rrect50% 1.95x1.95 hole 1.3: 1(-5,-0.5)
  round 1.95 hole 1.3: 2(0,-0.5) 3(5,-0.5)
  silkscreen extent -8.1,-4.5 8.1,4.5, body extent -8.1,-4.5 8.1,4.5, height 12.65
BLM18EG101TH1D [mm]
  rect 0.65x0.7 smd: 1(-0.675,0) 2(0.675,0)
  silkscreen extent 0,-0.3 0,0.3, body extent -0.76,-0.25 0.84,0.25, height 0.4
"Buzzer 5v" [mm]
  round 2.5 hole 1.5: 1(-3.8,0) 2(3.8,0)
  silkscreen extent -6.3,-6.3 6.3,6.3, body extent -6,-6 6,6, height 10.3
C1206 [mm] "Chip Capacitor, Body 3.2x1.6mm, IPC High Density"
  rect 1.1x1.7 smd: 1(-1.35,0) 2(1.35,0)
  silkscreen extent -0.4,-0.75 0.4,0.75, body extent -1.7,-0.9 1.7,0.9, height 1.3
DDPACK-5 [mm] "DPAK, 5-Leads, Body 10.65x9.65mm, Pitch 1.7mm, IPC High Density"
  rrect11% 0.95x3.85 smd: 1(-3.781,-10.137) 2(-2.081,-10.137) 3(-0.381,-10.137) 4(1.319,-10.137) 5(3.019,-10.137)
  rrect1% 10.7x7.9 smd: 6(-0.381,0.213)
  silkscreen extent -5.73,-10.26 4.97,-4.14, body extent -5.49,-11.4 4.73,2.95, height 4.48
"Diode DO 35" [mm] "2-Leads, Axial Lead, Body 4.635x2.36mm, Pin Spacing 9mm"
  rect 1.65x1.65 hole 1.15: 1(-4.5,0)
  round 1.65 hole 1.15: 2(5.588,0)
  silkscreen extent -1.78,-1.18 3.05,1.22, body extent -4.77,-0.9 5.94,0.9, height 2.32
H [mm] "LED, 7-Segment Display, 14.2 mm, RHD; 10 Leads; Row Space 15.24 mm; Pitch 2.54 mm"
  rect 1.5x1.5 hole 0.9: 1(-5.08,-7.62)
  round 1.5 hole 0.9: 2(-2.54,-7.62) 3(0,-7.62) 4(2.54,-7.62) 5(5.08,-7.62) 6(5.08,7.62) 7(2.54,7.62) 8(0,7.62) 9(-2.54,7.62) 10(-5.08,7.62)
  silkscreen extent -6.4,-10.22 6.4,9.45, body extent -6.4,-9.45 6.4,9.45, height 8.25
INDPM7676X355N [mm]
  rect 1.9x2.05 smd: 1(-3.4,0) 2(3.4,0)
  silkscreen extent -3.8,-3.8 3.8,3.8, body extent -3.8,-3.8 3.8,3.8, height 3.55
J1-0603 [mm] "Chip Resistor, Body 1.6x0.8mm, IPC High Density"
  rect 0.7x0.9 smd: 1(-0.75,0) 2(0.75,0)
  silkscreen extent -0.2,-0.35 0.2,0.35, body extent -0.85,-0.48 0.85,0.48, height 0.9
JACK [mm]
  oval 4.25x1.75 hole 1 square mask+0.05: A(181.102,8.694)
  oval 3.75x1.75 hole 1 square mask+0.05: B(181.102,2.794)
  oval 1.4x3.1 hole 0.8 square mask+0.05: C(185.802,5.894)
  silkscreen extent 176.6,-4.91 185.6,10.24, body extent 176.6,-4.91 185.96,9.49, height 10.8
LIS2DE12TR [mm]
  rect 0.375x0.35 smd: 1(-0.712,0.75) 2(-0.712,0.25) 3(-0.712,-0.25) 4(-0.712,-0.75) 7(0.712,-0.75) 8(0.712,-0.25) 9(0.712,0.25) 10(0.712,0.75)
  rect 0.35x0.375 smd: 5(-0.25,-0.75) 6(0.25,-0.75) 11(0.25,0.75) 12(-0.25,0.75)
  silkscreen extent -1.6,0.7 -1.5,0.8, body extent -1,-1 1,1, height 0.92
MCU-Card-PIC18f97j94 [mm] "MCU card module"
  round 1.5 hole 1.02: 1(-21.844,24.206) 2(-21.844,21.666) 3(-21.844,19.126) 4(-21.844,16.586) 5(-21.844,14.046) 6(-21.844,11.506) 7(-21.844,8.966) 8(-21.844,6.426) 9(-21.844,3.886) 10(-21.844,1.346) 11(-21.844,-1.194) 12(-21.844,-3.734) 13(-21.844,-6.274) 14(-21.844,-8.814) 15(-21.844,-11.354) 16(-21.844,-13.894) 17(-21.844,-16.434) 18(-21.844,-18.974) 19(-21.844,-21.514) 21(-19.304,24.206) 22(-19.304,21.666) 23(-19.304,19.126) 24(-19.304,16.586) 25(-19.304,14.046) 26(-19.304,11.506) 27(-19.304,8.966) 28(-19.304,6.426) 29(-19.304,3.886) 30(-19.304,1.346) 31(-19.304,-1.194) 32(-19.304,-3.734) 33(-19.304,-6.274) 34(-19.304,-8.814) 35(-19.304,-11.354) 36(-19.304,-13.894) 37(-19.304,-16.434) 38(-19.304,-18.974) 39(-19.304,-21.514) 40(-19.304,-24.054) 41(18.669,24.232) 42(18.669,21.692) 43(18.669,19.152) 44(18.669,16.612) 45(18.669,14.072) 46(18.669,11.532) 47(18.669,8.992) 48(18.669,6.452) 49(18.669,3.912) 50(18.669,1.372) 51(18.669,-1.168) 52(18.669,-3.708) 53(18.669,-6.248) 54(18.669,-8.788) 55(18.669,-11.328) 56(18.669,-13.868) 57(18.694,-16.408) 58(18.669,-18.948) 59(18.669,-21.488) 60(18.669,-24.028) 62(21.158,21.717) 63(21.209,19.152) 64(21.209,16.612) 65(21.209,14.072) 66(21.209,11.532) 67(21.209,8.992) 68(21.209,6.452) 69(21.209,3.912) 70(21.209,1.372) 71(21.209,-1.168) 72(21.209,-3.708) 73(21.209,-6.248) 74(21.209,-8.788) 75(21.209,-11.328) 76(21.209,-13.868) 77(21.209,-16.408) 78(21.209,-18.948) 79(21.209,-21.488) 80(21.209,-24.028)
  rect 1.5x1.5 hole 1.02: 20(-21.844,-24.054) 61(21.209,24.232)
  silkscreen extent -16.84,22.18 -13.85,25.17, body extent -25.07,-27.65 24.6,27.9, height 16.3
"Mini Crystal" [mm] "THD, 2-Leads, Body 4x10mm, Pitch 5mm"
  round 1.4 hole 0.9: 1(-2.413,-3.937) 2(2.413,-3.937)
  silkscreen extent -5.59,-6.22 5.59,-1.52, body extent -5.61,-6.24 5.59,-1.64, height 3.75
NSL-19M51 [mm]
  round 1.55 hole 1: 1(-1.25,0) 2(1.25,0)
  silkscreen extent -2.52,-1.7 2.05,1.7, body extent -2.05,-1.7 2.05,1.7, height 2.11
pad [mil]
  round 60 smd: 1(0,0) 2(82,4)
PEC164120FS0012 [mm]
  round 1.95 hole 1.3: A1(0,0) B1(5,0) C1(10,0) D1(2.5,17.5) E1(7.5,17.5)
  round 4.46 hole 2.973: MH1(-2.4,10.5) MH2(12.4,10.5)
  silkscreen extent -3,-2.5 13,18.8, body extent -3.85,-1.95 13.85,18.75, height 30.47
RELAY [mm]
  rect 1.98x1.98 / inner round 1.98 / far side rect 1.98x1.98 hole 1.32: A1(44.967,14.268)
  round 1.98 hole 1.32: A2(44.967,2.268) NC(57.167,14.268) NO(57.167,2.268)
  round 1.935 hole 1.29: COM(42.967,8.268)
  silkscreen extent 40.77,0.52 60.62,16.02, body extent 41.47,0.47 60.67,16.07, height 15.8
RJ45 [mm]
  rect 1.398x1.398 / inner round 1.398 / far side rect 1.398x1.398 hole 0.89: 1(720.758,-112.966)
  round 1.398 hole 0.89: 2(719.488,-115.506) 3(718.218,-112.966) 4(716.948,-115.506) 5(715.678,-112.966) 6(714.408,-115.506) 7(713.138,-112.966) 8(711.868,-115.506)
  round 1.53 hole 1.02: 9(722.933,-101.716) 10(720.393,-101.716) 11(712.223,-101.716) 12(709.683,-101.716)
  round 2.445 hole 1.63: 15(724.053,-109.666) 16(708.563,-109.666)
  round 3.25 hole 3.25 unplated: ""(710.593,-106.616) ""(722.023,-106.616)
  silkscreen extent 708.31,-117.1 725.46,-95.7, body extent 708.29,-113.97 724.33,-92.67, height 13.5
SHDRRA2W80P0X350_1X2_840X920X825P [mm]
  rect 2.025x2.025 hole 1.35: 1(0,0)
  round 2.025 hole 1.35: 2(3.5,0)
  silkscreen extent -2.45,-1.2 5.95,8, body extent -2.45,-1.2 5.95,8, height 7.16
SHDRRA3W80P0X350_1X3_1250X920X745P [mm]
  rect 2.025x2.025 hole 1.35: 1(0,0)
  round 2.025 hole 1.35: 2(-3.5,0) 3(-7,0)
  silkscreen extent -9.9,-1.1 2.9,8.3, body extent -9.75,-1 2.75,8.2, height 7.25
SMC [mm] "DO-214-AB/SMC; 2 C-Bend Leads; Body 7.9 x 5.9 mm, inc. leads (LxW)"
  rect 2.4x3.3 smd: 1(-3.475,0) 2(3.475,0)
  silkscreen extent -5.07,-2.05 5.43,2.06
SMD-0805-RES [mil]
  rect 60x40 smd: 1(0,40) 2(0,-40)
  silkscreen extent -35,-65 35,65, body extent -24,-39 26,39, height 31
SMD-0805C [mil]
  rect 60x40 smd: 1(0,40) 2(0,-40)
  silkscreen extent -25,0 25,0, body extent -25,-39 25,39, height 35
SMD-1206-RES [mil]
  rect 80x60 smd: 1(0,55) 2(0,-55)
  silkscreen extent -45,-90 45,90, body extent -34,-66 34,66, height 33
SOIC127P600X175-8N [mm]
  rect 1.528x0.65 smd: 1(-2.711,1.905) 2(-2.711,0.635) 3(-2.711,-0.635) 4(-2.711,-1.905) 5(2.711,-1.905) 6(2.711,-0.635) 7(2.711,0.635) 8(2.711,1.905)
  silkscreen extent -3.47,-2.45 1.6,2.58, body extent -3.01,-2.45 3.01,2.45, height 1.63
SOIC127P600X175-16N [mm]
  rrect25% 1.97x0.6 smd: 1(-2.475,4.445) 2(-2.475,3.175) 3(-2.475,1.905) 4(-2.475,0.635) 5(-2.475,-0.635) 6(-2.475,-1.905) 7(-2.475,-3.175) 8(-2.475,-4.445) 9(2.475,-4.445) 10(2.475,-3.175) 11(2.475,-1.905) 12(2.475,-0.635) 13(2.475,0.635) 14(2.475,1.905) 15(2.475,3.175) 16(2.475,4.445)
  silkscreen extent -4.24,-5.07 1.95,5.07, body extent -3,-4.95 3,4.95, height 1.75
SOIC127P1030X265-20N [mm]
  rect 1.85x0.65 smd: 1(-4.675,5.715) 2(-4.675,4.445) 3(-4.675,3.175) 4(-4.675,1.905) 5(-4.675,0.635) 6(-4.675,-0.635) 7(-4.675,-1.905) 8(-4.675,-3.175) 9(-4.675,-4.445) 10(-4.675,-5.715) 11(4.675,-5.715) 12(4.675,-4.445) 13(4.675,-3.175) 14(4.675,-1.905) 15(4.675,-0.635) 16(4.675,0.635) 17(4.675,1.905) 18(4.675,3.175) 19(4.675,4.445) 20(4.675,5.715)
  silkscreen extent -5.6,-6.4 3.4,6.4, body extent -5.15,-6.4 5.15,6.4, height 2.65
SOIC127P1030X265-28N [mm]
  rect 1.85x0.65 smd: 1(-4.675,8.255) 2(-4.675,6.985) 3(-4.675,5.715) 4(-4.675,4.445) 5(-4.675,3.175) 6(-4.675,1.905) 7(-4.675,0.635) 8(-4.675,-0.635) 9(-4.675,-1.905) 10(-4.675,-3.175) 11(-4.675,-4.445) 12(-4.675,-5.715) 13(-4.675,-6.985) 14(-4.675,-8.255) 15(4.675,-8.255) 16(4.675,-6.985) 17(4.675,-5.715) 18(4.675,-4.445) 19(4.675,-3.175) 20(4.675,-1.905) 21(4.675,-0.635) 22(4.675,0.635) 23(4.675,1.905) 24(4.675,3.175) 25(4.675,4.445) 26(4.675,5.715) 27(4.675,6.985) 28(4.675,8.255)
  silkscreen extent -5.6,-8.95 3.4,8.95, body extent -5.15,-8.95 5.15,8.95, height 2.65
SOIC127P1046X264-24N [mm]
  rect 1.8x0.7 smd: 1(-4.8,6.985) 2(-4.8,5.715) 3(-4.8,4.445) 4(-4.8,3.175) 5(-4.8,1.905) 6(-4.8,0.635) 7(-4.8,-0.635) 8(-4.8,-1.905) 9(-4.8,-3.175) 10(-4.8,-4.445) 11(-4.8,-5.715) 12(-4.8,-6.985) 13(4.8,-6.985) 14(4.8,-5.715) 15(4.8,-4.445) 16(4.8,-3.175) 17(4.8,-1.905) 18(4.8,-0.635) 19(4.8,0.635) 20(4.8,1.905) 21(4.8,3.175) 22(4.8,4.445) 23(4.8,5.715) 24(4.8,6.985)
  silkscreen extent -5.7,-7.85 3.55,7.85, body extent -5.23,-7.85 5.23,7.85, height 2.64
SOP65P490X110-8N [mm]
  rect 1.4x0.45 smd: 1(-2.2,0.975) 2(-2.2,0.325) 3(-2.2,-0.325) 4(-2.2,-0.975) 5(2.2,-0.975) 6(2.2,-0.325) 7(2.2,0.325) 8(2.2,0.975)
  silkscreen extent -2.9,-1.5 1.15,1.55, body extent -2.45,-1.5 2.45,1.5, height 1.1
SOP65P780X200-28N [mm]
  rect 1.8x0.45 smd: 1(-3.55,4.225) 2(-3.55,3.575) 3(-3.55,2.925) 4(-3.55,2.275) 5(-3.55,1.625) 6(-3.55,0.975) 7(-3.55,0.325) 8(-3.55,-0.325) 9(-3.55,-0.975) 10(-3.55,-1.625) 11(-3.55,-2.275) 12(-3.55,-2.925) 13(-3.55,-3.575) 14(-3.55,-4.225) 15(3.55,-4.225) 16(3.55,-3.575) 17(3.55,-2.925) 18(3.55,-2.275) 19(3.55,-1.625) 20(3.55,-0.975) 21(3.55,-0.325) 22(3.55,0.325) 23(3.55,0.975) 24(3.55,1.625) 25(3.55,2.275) 26(3.55,2.925) 27(3.55,3.575) 28(3.55,4.225)
  silkscreen extent -4.45,-5.1 2.3,5.1, body extent -3.9,-5.1 3.9,5.1, height 2
SOT95P237X112-3N [mm]
  rect 1.25x0.65 smd: 1(-1.05,0.95) 2(-1.05,-0.95) 3(1.05,0)
  silkscreen extent -1.67,-1.43 0.07,1.53, body extent -1.18,-1.43 1.18,1.43, height 1.12
SOT95P270X145-5N [mm]
  rect 1.4x0.6 smd: 1(-1.25,0.95) 2(-1.25,0) 3(-1.25,-0.95) 4(1.25,-0.95) 5(1.25,0.95)
  silkscreen extent -1.95,-1.45 0.2,1.5, body extent -1.35,-1.45 1.35,1.45, height 1.45
SOT95P280X145-6N [mm]
  rect 1.15x0.6 smd: 1(-1.25,0.95) 2(-1.25,0) 3(-1.25,-0.95) 4(1.25,-0.95) 5(1.25,0) 6(1.25,0.95)
  silkscreen extent -1.82,-1.45 0.33,1.6, body extent -1.4,-1.45 1.4,1.45, height 1.45
SOT-23-3N [mm]
  rect 1.25x0.6 smd: 1(-1.05,0.95) 2(-1.05,-0.95) 3(1.05,0)
  silkscreen extent -1.67,-1.46 0.08,1.5, body extent -1.18,-1.46 1.18,1.46, height 1.12
STPS0560Z [mm]
  rect 0.97x0.65 smd: 1(-1.74,0) 2(1.74,0)
  silkscreen extent -2.5,-0.78 1.3,0.78, body extent -1.97,-0.85 1.97,0.85, height 1.45
"Trim pot square Horizontal" [mm] "THD, 3-Leads, Body 6.6x6.99mm, Pitch 2.54mm"
  rect 1.25x1.25 hole 0.75: 1(-2.54,0.035)
  round 1.25 hole 0.75: 2(0,2.575) 3(2.54,0.035)
  silkscreen extent -4.02,-3.49 3.3,3.49, body extent -3.3,-3.59 3.3,3.4, height 4.5
WE-LQ_1812 [mm] "SMT Inductor, body 4.5x3.2mm"
  rect 2x3.6 smd: 1(-1.7,0) 2(1.7,0)
  silkscreen extent -0.4,-1.75 0.4,1.75, body extent -2.25,-1.6 2.25,1.6, height 2.59
WL-SFTW_3528_150141M173100 [mm] "SMT Full-color TOP LED Waterclear, body 3.5x2.8mm"
  rect 1.5x0.9 smd: 1(1.55,0.7) 2(1.55,-0.7) 3(-1.55,0.7) 4(-1.55,-0.7)
  silkscreen extent -2.92,-1.5 0.5,1.5, body extent -1.75,-1.4 1.75,1.4, height 1.9
WL-SMCW_0603 [mm] "SMD Mono-color Chip LED, body 1.6x0.8mm"
  rect 0.8x0.8 smd: 1(-0.8,0) 2(0.8,0)
  silkscreen extent -1.45,-0.65 1.45,0.65, body extent -0.8,-0.4 0.8,0.4, height 0.7
WL-SMCW_0805 [mm] "SMD Mono-color Chip LED, body 2.0x1.25mm"
  rect 1.1x1.2 smd: 1(-1.05,0) 2(1.05,0)
  silkscreen extent -1.85,-0.88 1.85,0.88, body extent -1,-0.62 1,0.63, height 0.7